# Altium PCB PCB3.PcbDoc (part 4 of 8) (continued)
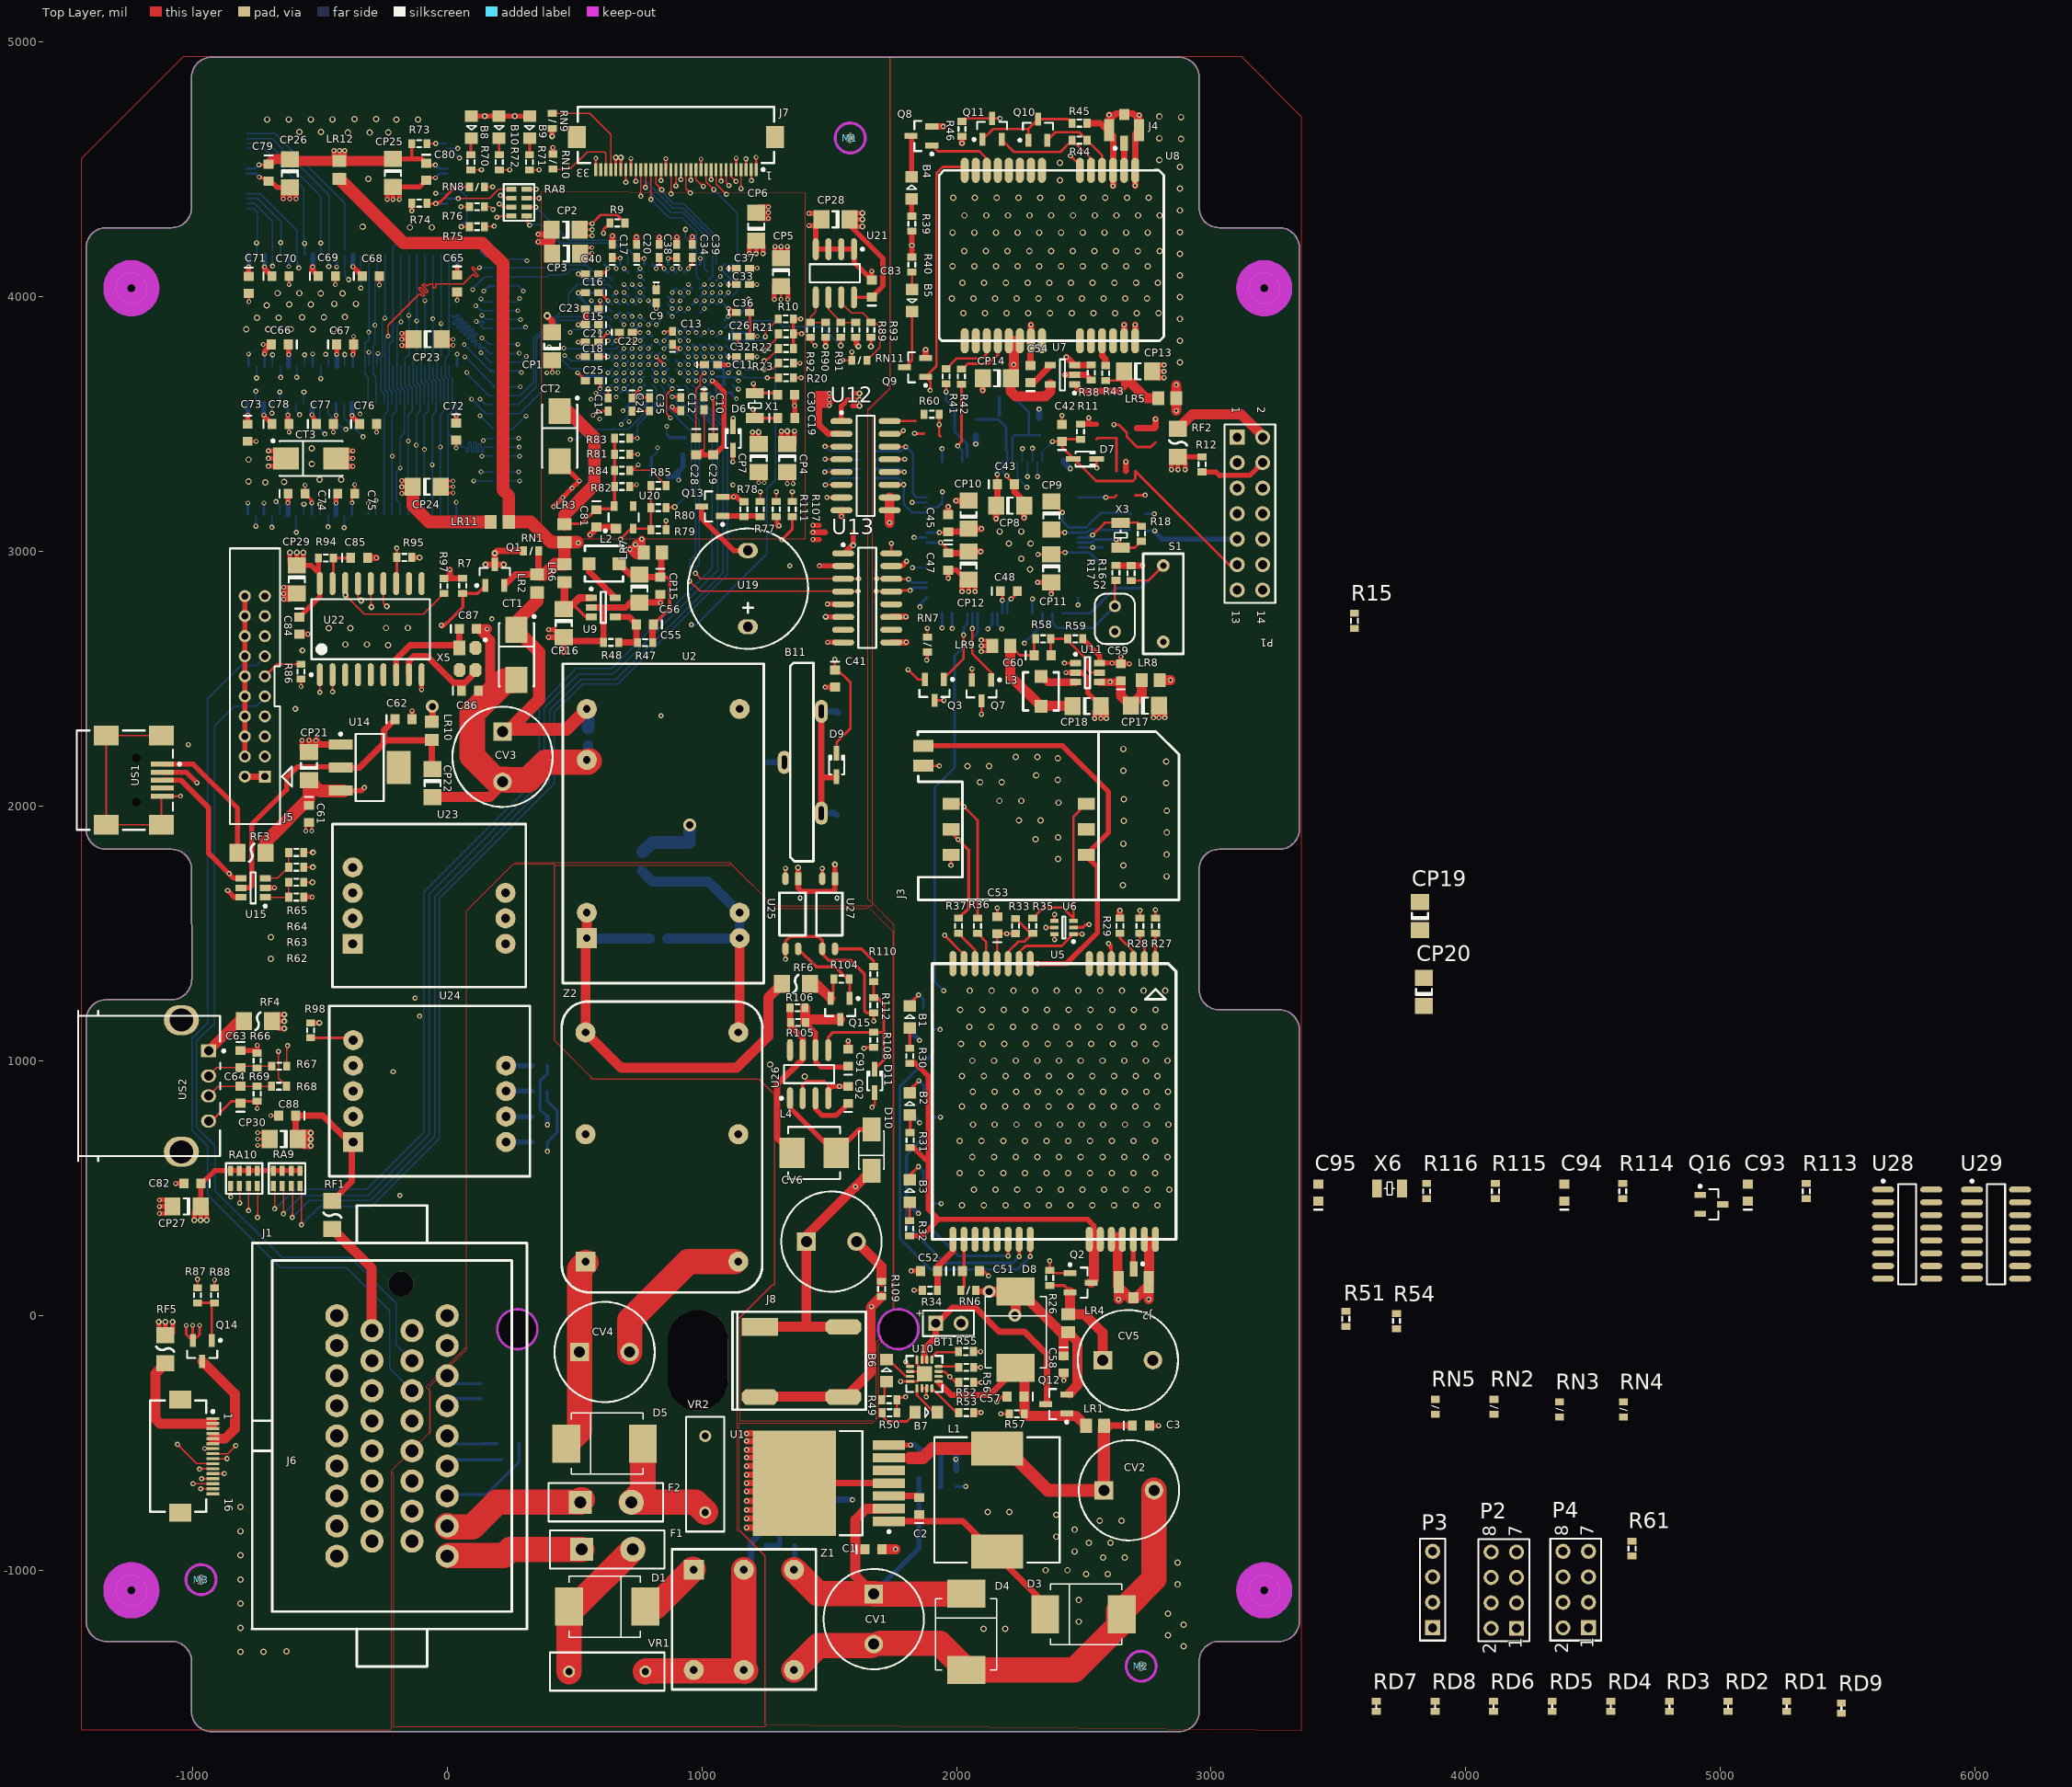
[diagram p0: Top Layer view]
## Nets (pads, with @x,y where several pads share a name; then routed paths per layer and width w, separated by ;. In a path a pad name is that pad's centre, name@x,y a point inside that pad or via, vN(x,y) a via of type N, cw(c..) or ccw(c..) an arc to the next point about the centre after c; other vN are vias at no path point) (continued)
  ADDR w10: v2@1947.83,1272.64 1970.47,1250 1970.47,347.44 2047.24,270.67 2310.04,270.67 v2(2366.14,214.57) ; v2@1954.8,1275.59 ccw(c1978.76,1275.59) 1961.82,1258.65 ; v2@2361.14,214.57 ccw(c2349.07,214.57) 2357.61,223.1 ccw(c2366.14,231.64) v2@2366.14,219.57
  Bottom Layer w10: v2@1944.8,1275.59 ccw(c1932.73,1275.59) 1941.27,1284.13 ccw(c1949.8,1292.66) v2@1949.8,1280.59 ; v2(1949.8,1275.59) 1915.35,1310.04 1915.35,2074.8 1993.11,2152.56 1993.11,2591.54 2082.68,2681.1 2082.68,2756.89 U4.43@2081.69,2757.87
GPRS_PWRKEY: Q7.1 U4.44 | length 350.2
  Top Layer w10: v2@2058.47,2694.3 cw(c2049.94,2685.76) 2062.01,2685.76 cw(c2074.08,2685.76) v2@2065.54,2694.3 ; v2(2062.01,2697.83) 2062.01,2599.41 2138.78,2522.64 Q7.1@2138.78,2493.11 ; Q7.1@2135.83,2496.06 Q7.1@2135.83,2511.81
  Bottom Layer w10: v2@2058.47,2701.37 ccw(c2049.94,2709.91) 2062.01,2709.91 ccw(c2074.08,2709.91) v2@2065.54,2701.37 ; v2(2062.01,2697.83) U4.44@2062.01,2757.87
GPS_PWR: R38.1 U4.76 U7.3 | length 888.7
  Top Layer w25: v2(2431.1,3763.78) U7.3@2463.58,3731.3 R38.1@2528.54,3731.3
  ADDR w25: v2(1943.9,3403.54) v2@1946.36,3406 ; v2@1943.9,3408.46 1945.87,3408.46 2006.89,3469.49 2006.89,3588.58 2098.43,3680.12 2228.35,3680.12 2312.01,3763.78 v2(2431.1,3763.78)
  Bottom Layer w10: v2@1940.36,3400.01 cw(c1931.83,3391.47) 1943.9,3391.47 cw(c1955.97,3391.47) v2@1947.43,3400.01 ; U4.76@1943.9,3352.36 v2(1943.9,3403.54)
I2CSCL: R91.2 U3.U8 | length 569.4
  Top Layer w5: v4@1538.94,3814.9 ccw(c1523.04,3830.8) 1545.52,3830.8 ccw(c1568,3830.8) v4@1552.11,3814.9 ; v4(1545.52,3808.32) R91.2@1545.52,3840.76
  Bottom Layer w5: U3.U8@1120.05,3906.93 1293.86,3906.93 1317.91,3882.87 1470.96,3882.87 v4(1545.52,3808.32) ; v4@1536.21,3808.32 ccw(c1513.73,3808.32) 1529.63,3824.21 ccw(c1545.52,3840.11) v4@1545.52,3817.63
I2CSDA: R92.2 U3.M9 | length 693.5
  Top Layer w5: R92.2@1426.92,3840.76 1426.92,3826.03 v2(1444.88,3808.07) ; v2@1437.38,3808.07 ccw(c1419.28,3808.07) 1432.08,3820.87 ccw(c1444.88,3833.68) v2@1444.88,3815.57
  ADDR w5: v1(978.32,3859.69) 1009.38,3890.75 1397.64,3890.75 1444.88,3843.5 v2(1444.88,3808.07) ; v1@978.32,3866.19 ccw(c978.32,3881.88) 989.42,3870.78 ccw(c1000.51,3859.69) v1@984.82,3859.69 ; v2@1439.58,3813.37 ccw(c1426.78,3826.18) 1444.88,3826.18 ccw(c1462.99,3826.18) v2@1450.19,3813.37
  Bottom Layer w10: U3.M9@962.57,3875.43 v1(978.32,3859.69) ; v1@974.32,3859.69 ccw(c964.67,3859.69) 971.49,3866.51 ccw(c978.32,3873.34) v1@978.32,3863.69
LADDR2: RA3.7 U16.23 U17.23 | length 1301.8
  ADDR w5: v1@-87.62,3979.17 cw(c-87.62,3963.48) -76.53,3974.57 cw(c-65.43,3985.67) v1@-81.12,3985.67 ; v1(-87.62,3985.67) -66.96,3965.01 -55.69,3965.01 cw(c-55.69,3960.01) -50.69,3960.01 -50.69,3959.31 ccw(c-45.69,3959.31) -45.69,3954.31 ccw(c-45.69,3959.31) -40.69,3959.31 -40.69,3980.01 cw(c-35.69,3980.01) -35.69,3985.01 cw(c-35.69,3980.01) -30.69,3980.01 -30.69,3959.31 ccw(c-25.69,3959.31) -25.69,3954.31 ccw(c-25.69,3959.31) -20.69,3959.31 -20.69,3980.01 cw(c-15.69,3980.01) -15.69,3985.01 cw(c-15.69,3980.01) -10.69,3980.01 -10.69,3959.31 ccw(c-5.69,3959.31) -5.69,3954.31 ccw(c-5.69,3959.31) -0.69,3959.31 -0.69,3980.01 cw(c4.31,3980.01) 4.31,3985.01 cw(c4.31,3980.01) 9.31,3980.01 9.31,3959.31 ccw(c14.31,3959.31) 14.31,3954.31 ccw(c14.31,3959.31) 19.31,3959.31 19.31,3972.77 cw(c24.31,3972.77) 24.31,3977.77 cw(c24.31,3972.77) 29.31,3972.77 29.31,3959.31 ccw(c34.31,3959.31) 34.31,3954.31 ccw(c34.31,3959.31) 39.31,3959.31 39.31,3960.01 cw(c44.31,3960.01) 44.31,3965.01 cw(c44.31,3960.01) 49.31,3960.01 49.31,3959.31 ccw(c54.31,3959.31) 54.31,3954.31 ccw(c54.31,3959.31) 59.31,3959.31 59.31,3978.56 cw(c64.31,3978.56) 64.31,3983.56 cw(c64.31,3978.56) 69.31,3978.56 69.31,3959.31 ccw(c74.31,3959.31) 74.31,3954.31 ccw(c74.31,3959.31) 79.31,3959.31 79.31,3978.56 cw(c84.31,3978.56) 84.31,3983.56 cw(c84.31,3978.56) 89.31,3978.56 89.31,3959.31 ccw(c94.31,3959.31) 94.31,3954.31 ccw(c94.31,3959.31) 99.31,3959.31 99.31,3960.01 cw(c104.31,3960.01) 104.31,3965.01 v1(112.14,3965.01)
  Bottom Layer w5: v1@-92.22,3981.07 cw(c-104.95,3968.34) -86.95,3968.34 ; v1@-92.22,3990.27 ccw(c-104.95,4003) -86.95,4003 ; U17.23@-89.95,3581.94 -89.95,3655.97 -102.14,3668.16 -102.14,3758.04 -86.95,3773.24 -86.95,3942.06 ; -86.95,3942.36 U16.23@-86.95,4164.94 ; -86.95,3971.61 cw(c-73.56,3971.61) v1@-83.03,3981.07 ; -86.95,3999.73 ccw(c-73.56,3999.73) v1@-83.03,3990.27 ; v1@112.14,3958.51 cw(c112.14,3935.61) 128.33,3951.8 ; v1(112.14,3965.01) 115.13,3965.01 134.12,3946.02 RA3.7@182.95,3946.02 ; v1@118.64,3965.01 ccw(c127.13,3965.01) 121.13,3959
LADDR3: RA4.8 U16.24 U17.24 | length 1284.2
  ADDR w5: v1(-56.13,3913.82) -55.14,3914.8 -19,3914.8 cw(c-19,3909.8) -14,3909.8 -14,3909.46 ccw(c-9,3909.46) -9,3904.46 ccw(c-9,3909.46) -4,3909.46 -4,3909.8 cw(c1,3909.8) 1,3914.8 cw(c1,3909.8) 6,3909.8 6,3909.12 ccw(c11,3909.12) 11,3904.12 ccw(c11,3909.12) 16,3909.12 16,3909.8 cw(c21,3909.8) 21,3914.8 cw(c21,3909.8) 26,3909.8 26,3902.59 ccw(c31,3902.59) 31,3897.59 ccw(c31,3902.59) 36,3902.59 36,3909.8 cw(c41,3909.8) 41,3914.8 61,3914.8 69.39,3906.41 cw(c65.85,3902.88) 69.39,3899.34 62.32,3892.27 ccw(c65.85,3888.73) 62.32,3885.2 ccw(c65.85,3888.73) 69.39,3885.2 80,3895.81 90.17,3905.98 cw(c93.71,3902.44) 97.24,3905.98 cw(c93.71,3902.44) 97.24,3898.91 76.46,3878.13 ccw(c80,3874.59) 76.46,3871.06 ccw(c80,3874.59) 83.53,3871.06 101.59,3889.11 cw(c105.12,3885.57) 108.66,3889.11 cw(c105.12,3885.57) 108.66,3882.04 101.21,3874.59 90.6,3863.99 ccw(c94.14,3860.45) 90.6,3856.91 ccw(c94.14,3860.45) 97.67,3856.91 118.89,3878.13 cw(c122.42,3874.59) 125.96,3878.13 cw(c122.42,3874.59) 125.96,3871.06 104.75,3849.84 ccw(c108.28,3846.31) 104.75,3842.77 ccw(c108.28,3846.31) 111.82,3842.77 118.89,3849.84 cw(c122.42,3846.31) 125.96,3849.84 ; v1@-51.53,3909.22 cw(c-38.06,3895.75) -38.06,3914.8 ; v1@-51.53,3918.42 ccw(c-42.81,3927.14) -42.81,3914.8 ; v1@130.29,3839.13 ccw(c115.51,3839.39) 125.96,3849.84 ; v1@136.67,3845.52 cw(c136.41,3860.3) 125.96,3849.84 ; v1(136.79,3839.02) 125.96,3849.84
  Bottom Layer w5: v1@-60.72,3909.22 cw(c-73.45,3896.49) -55.45,3896.49 ; v1@-60.72,3918.42 ccw(c-73.45,3931.15) -55.45,3931.15 ; U17.24@-58.45,3581.94 -58.45,3663.47 -70.64,3675.67 -70.64,3758.04 -55.45,3773.24 U16.24@-55.45,4164.94 ; -55.45,3899.76 cw(c-42.07,3899.76) v1@-51.53,3909.22 ; -55.45,3927.88 ccw(c-42.07,3927.88) v1@-51.53,3918.42 ; v1@136.79,3832.52 cw(c136.79,3816.82) 147.88,3827.92 cw(c158.98,3839.02) v1@143.29,3839.02 ; v1(136.79,3839.02) 161.85,3813.96 RA4.8@182.95,3813.96
LADDR4: RA4.6 U16.25 U17.25 | length 1050.6
  ADDR w5: v1(-23.65,3895.12) 18.68,3895.12 91.77,3822.03 cw(c88.23,3818.49) 91.77,3814.95 86.4,3809.58 ccw(c89.93,3806.05) 86.4,3802.51 ccw(c89.93,3806.05) 93.47,3802.51 111.28,3820.33 cw(c114.82,3816.79) 118.36,3820.33 cw(c114.82,3816.79) 118.36,3813.26 100.54,3795.44 ccw(c104.07,3791.9) 100.54,3788.37 ccw(c104.07,3791.9) 107.61,3788.37 112.98,3793.74 cw(c116.52,3790.21) 120.05,3793.74 v1(132.85,3780.95) ; v1@126.35,3780.95 ccw(c110.66,3780.95) 121.75,3792.04 ccw(c132.85,3803.14) v1@132.85,3787.45
  Bottom Layer w5: v1@-28.24,3890.52 cw(c-38.6,3880.17) -23.96,3880.17 ; v1@-28.24,3899.72 ccw(c-38.6,3910.07) -23.96,3910.07 ; U17.25@-26.96,3581.94 -26.96,3669.98 -39.15,3682.17 -39.15,3758.04 -23.96,3773.24 U16.25@-23.96,4164.94 ; -23.96,3878.68 cw(c-7.21,3878.68) v1@-19.05,3890.52 ; -23.96,3911.55 ccw(c-7.21,3911.55) v1@-19.05,3899.72 ; v1@132.85,3774.45 cw(c132.85,3758.75) 143.94,3769.85 cw(c155.04,3780.95) v1@139.35,3780.95 ; v1(132.85,3780.95) 169.84,3743.96 RA4.6@182.95,3743.96
LADDR5: RA4.7 U16.26 U17.26 | length 1312
  Bottom Layer w5: U17.26@4.54,3581.94 4.54,3674.48 -7.65,3686.68 -7.65,3758.04 7.54,3773.24 7.54,3800.73 6.09,3802.19 6.09,3816.68 7.54,3818.13 7.54,3824.73 6.09,3826.19 6.09,3840.68 7.54,3842.13 7.54,3847.73 6.09,3849.19 6.09,3863.68 7.54,3865.13 7.54,3925.63 ; U16.26@7.54,4164.94 7.54,3925.63 ; RA4.7@182.95,3778.96 166.33,3778.96 144.17,3801.12 ccw(c140.63,3797.59) 137.1,3801.12 133.71,3797.73 cw(c130.17,3801.27) 126.64,3797.73 cw(c130.17,3801.27) 126.64,3804.8 130.03,3808.19 ccw(c126.49,3811.73) 130.03,3815.27 ccw(c126.49,3811.73) 122.95,3815.27 115.88,3808.19 cw(c112.35,3811.73) 108.81,3808.19 cw(c112.35,3811.73) 108.81,3815.27 115.88,3822.34 ccw(c112.35,3825.87) 115.88,3829.41 ccw(c112.35,3825.87) 108.81,3829.41 101.74,3822.34 cw(c98.21,3825.87) 94.67,3822.34 cw(c98.21,3825.87) 94.67,3829.41 115.88,3850.62 ccw(c112.35,3854.16) 115.88,3857.69 ccw(c112.35,3854.16) 108.81,3857.69 87.6,3836.48 cw(c84.06,3840.01) 80.53,3836.48 cw(c84.06,3840.01) 80.53,3843.55 101.74,3864.76 ccw(c98.21,3868.3) 101.74,3871.83 ccw(c98.21,3868.3) 94.67,3871.83 73.46,3850.62 cw(c69.92,3854.16) 66.39,3850.62 cw(c69.92,3854.16) 66.39,3857.69 87.6,3878.9 ccw(c84.06,3882.44) 87.6,3885.98 ccw(c84.06,3882.44) 80.53,3885.98 59.31,3864.76 cw(c55.78,3868.3) 52.24,3864.76 cw(c55.78,3868.3) 52.24,3871.83 73.46,3893.05 ccw(c69.92,3896.58) 73.46,3900.12 ccw(c69.92,3896.58) 66.39,3900.12 45.17,3878.9 cw(c41.64,3882.44) 38.1,3878.9 cw(c41.64,3882.44) 38.1,3885.98 59.31,3907.19 ccw(c55.78,3910.72) 59.31,3914.26 ccw(c55.78,3910.72) 52.24,3914.26 31.03,3893.05 cw(c27.5,3896.58) 23.96,3893.05 cw(c27.5,3896.58) 23.96,3900.12 34.57,3910.72 45.17,3921.33 ccw(c41.64,3924.87) 45.17,3928.4 ccw(c41.64,3924.87) 38.1,3928.4 28.93,3919.23 cw(c27.5,3920.67) 26.06,3919.23 19.66,3925.63 7.54,3925.63
LADDR6: RA6.6 U16.29 U17.29 | length 1067.5
  Bottom Layer w5: U17.29@4.54,3144.93 4.54,3463.03 ; U16.29@7.59,3730.43 7.59,3690.43 19.73,3678.29 19.73,3551.83 4.54,3536.63 4.54,3463.03 ; RA6.6@182.95,3409.84 148.6,3409.84 ccw(c148.6,3404.84) 143.6,3404.84 143.6,3395.92 cw(c138.6,3395.92) 138.6,3390.92 cw(c138.6,3395.92) 133.6,3395.92 133.6,3418.99 ccw(c128.6,3418.99) 128.6,3423.99 ccw(c128.6,3418.99) 123.6,3418.99 123.6,3395.56 cw(c118.6,3395.56) 118.6,3390.56 cw(c118.6,3395.56) 113.6,3395.56 113.6,3424.11 ccw(c108.6,3424.11) 108.6,3429.11 ccw(c108.6,3424.11) 103.6,3424.11 103.6,3395.56 cw(c98.6,3395.56) 98.6,3390.56 cw(c98.6,3395.56) 93.6,3395.56 93.6,3424.11 ccw(c88.6,3424.11) 88.6,3429.11 ccw(c88.6,3424.11) 83.6,3424.11 83.6,3395.56 cw(c78.6,3395.56) 78.6,3390.56 cw(c78.6,3395.56) 73.6,3395.56 73.6,3404.84 ccw(c68.6,3404.84) 68.6,3409.84 57.74,3409.84 50.67,3416.91 cw(c54.2,3420.44) 50.67,3423.98 57.22,3430.53 ccw(c53.69,3434.07) 57.22,3437.61 ccw(c53.69,3434.07) 50.15,3437.61 40.06,3427.51 36.52,3423.98 cw(c32.99,3427.51) 29.45,3423.98 cw(c32.99,3427.51) 29.45,3431.05 ccw(c25.92,3434.59) 29.45,3438.12 4.54,3463.03
LADDR7: RA6.8 U16.30 U17.30 | length 1251.6
  DATA w5: v1(-26.96,3410.51) 13.73,3451.2 cw(c17.26,3447.66) 20.8,3451.2 27.57,3444.43 ccw(c31.1,3447.96) 34.64,3444.43 ccw(c31.1,3447.96) 34.64,3451.5 24.34,3461.8 18.3,3467.84 cw(c21.83,3471.38) 18.3,3474.91 cw(c21.83,3471.38) 25.37,3474.91 31.41,3468.87 41.71,3458.57 ccw(c45.24,3462.11) 48.78,3458.57 ccw(c45.24,3462.11) 48.78,3465.64 32.44,3481.98 cw(c35.98,3485.52) 32.44,3489.05 cw(c35.98,3485.52) 39.51,3489.05 45.55,3483.02 55.85,3472.71 ccw(c59.39,3476.25) 62.92,3472.71 ccw(c59.39,3476.25) 62.92,3479.78 52.62,3490.09 46.58,3496.12 cw(c50.12,3499.66) 46.58,3503.19 cw(c50.12,3499.66) 53.65,3503.19 69.99,3486.86 ccw(c73.53,3490.39) 77.06,3486.86 ccw(c73.53,3490.39) 77.06,3493.93 70.3,3500.69 cw(c73.83,3504.23) 70.3,3507.76 cw(c73.83,3504.23) 77.37,3507.76 84.13,3501 ccw(c87.67,3504.53) 91.21,3501 ccw(c87.67,3504.53) 91.21,3508.07 84.44,3514.84 cw(c87.97,3518.37) 84.44,3521.91 91.51,3528.98 124.06,3528.98 v1(128.94,3533.85) ; v1@-26.96,3417.01 ccw(c-26.96,3432.7) -15.86,3421.61 ccw(c-4.76,3410.51) v1@-20.46,3410.51 ; 101.48,3528.98 ccw(c101.48,3561.31) v1@124.34,3538.45 ; 113.55,3528.98 ccw(c113.55,3549.24) v1@127.88,3534.91
  Bottom Layer w5: v1@-31.55,3405.92 cw(c-42.65,3394.82) -26.96,3394.82 cw(c-11.26,3394.82) v1@-22.36,3405.92 ; v1@-31.55,3415.11 ccw(c-42.65,3426.2) -26.96,3426.2 ccw(c-11.26,3426.2) v1@-22.36,3415.11 ; U17.30@-26.96,3144.93 v1(-26.96,3410.51) -26.96,3536.63 -11.76,3551.83 -11.76,3673.79 -23.96,3685.98 U16.30@-23.96,3727.93 ; v1@128.94,3527.35 cw(c128.94,3511.66) 140.03,3522.75 cw(c151.13,3533.85) v1@135.44,3533.85 ; v1(128.94,3533.85) RA6.8@182.95,3479.84
LADDR8: RA7.8 U16.31 U17.31 | length 1073
  ADDR w5: v1(-59.08,3340.99) 41.35,3340.99 cw(c41.35,3335.99) 46.35,3335.99 46.35,3331.44 ccw(c51.35,3331.44) 51.35,3326.44 ccw(c51.35,3331.44) 56.35,3331.44 56.35,3353.94 cw(c61.35,3353.94) 61.35,3358.94 cw(c61.35,3353.94) 66.35,3353.94 66.35,3330.71 ccw(c71.35,3330.71) 71.35,3325.71 ccw(c71.35,3330.71) 76.35,3330.71 76.35,3349.77 cw(c81.35,3349.77) 81.35,3354.77 cw(c81.35,3349.77) 86.35,3349.77 86.35,3345.99 ccw(c91.35,3345.99) 91.35,3340.99 105.29,3340.99 v1(133.5,3312.78) ; v1@-54.48,3336.39 cw(c-43.39,3325.29) -43.39,3340.99 cw(c-43.39,3356.68) v1@-54.48,3345.58 ; v1@127,3312.78 ccw(c111.31,3312.78) 122.4,3323.87 ccw(c133.5,3334.97) v1@133.5,3319.28
  Bottom Layer w5: v1@-63.68,3336.39 cw(c-76.29,3323.77) -58.45,3323.77 ; v1@-63.68,3345.58 ccw(c-76.29,3358.2) -58.45,3358.2 ; U17.31@-58.45,3144.93 -58.45,3536.63 -43.26,3551.83 -43.26,3667.28 -55.45,3679.47 U16.31@-55.45,3727.93 ; -58.45,3326.81 cw(c-44.91,3326.81) v1@-54.48,3336.39 ; -58.45,3355.16 ccw(c-44.91,3355.16) v1@-54.48,3345.58 ; v1(133.5,3312.78) RA7.8@182.95,3312.78 ; v1@138.09,3308.18 cw(c149.19,3297.08) 149.19,3312.78 cw(c149.19,3328.47) v1@138.09,3317.37
LADDR9: RA5.6 U16.32 U17.32 | length 1321.3
  DATA w5: v1(-89.59,3401.02) -68.92,3401.02 50.82,3520.77 cw(c54.35,3517.23) 57.89,3520.77 60.53,3518.12 ccw(c64.07,3521.66) 67.6,3518.12 ccw(c64.07,3521.66) 67.6,3525.19 61.43,3531.37 50.98,3541.82 cw(c54.52,3545.35) 50.98,3548.89 cw(c54.52,3545.35) 58.05,3548.89 74.68,3532.27 ccw(c78.21,3535.8) 81.75,3532.27 ccw(c78.21,3535.8) 81.75,3539.34 75.57,3545.52 65.12,3555.96 cw(c68.66,3559.49) 65.12,3563.03 cw(c68.66,3559.49) 72.2,3563.03 93.08,3542.14 ccw(c96.62,3545.68) 100.15,3542.14 ccw(c96.62,3545.68) 100.15,3549.21 79.27,3570.1 cw(c82.8,3573.64) 79.27,3577.17 cw(c82.8,3573.64) 86.34,3577.17 107.22,3556.29 ccw(c110.76,3559.82) 114.3,3556.29 ccw(c110.76,3559.82) 114.3,3563.36 107.39,3570.26 cw(c110.92,3573.8) 107.39,3577.34 cw(c110.92,3573.8) 114.46,3577.34 121.37,3570.43 ccw(c124.9,3573.96) 128.44,3570.43 ccw(c124.9,3573.96) 128.44,3577.5 121.53,3584.41 cw(c125.07,3587.94) 121.53,3591.48 v1(128.91,3598.86) ; v1@-85,3396.43 cw(c-73.9,3385.33) -73.9,3401.02 cw(c-73.9,3416.72) v1@-85,3405.62 ; 119.46,3587.89 cw(c127.34,3583.33) v1@128.26,3592.39 ; 121.99,3592.27 ccw(c116.39,3595.5) v1@122.63,3597.18
  Bottom Layer w5: v1@-94.19,3396.43 cw(c-104.43,3386.19) -89.95,3386.19 ; v1@-94.19,3405.62 ccw(c-104.43,3415.86) -89.95,3415.86 ; U17.32@-89.95,3144.93 -89.95,3536.63 -74.75,3551.83 -74.75,3659.78 -86.95,3671.97 U16.32@-86.95,3727.93 ; -89.95,3384.48 cw(c-73.04,3384.48) v1@-85,3396.43 ; -89.95,3417.57 ccw(c-73.04,3417.57) v1@-85,3405.62 ; v1@128.91,3592.36 cw(c128.91,3576.67) 140.01,3587.76 cw(c151.1,3598.86) v1@135.41,3598.86 ; v1(128.91,3598.86) 150.87,3576.9 RA5.6@182.95,3576.9
LADDR10: RA5.5 U16.33 U17.33 | length 1341.7
  DATA w5: v1(-121.09,3417.76) -3.63,3535.22 ccw(c-7.16,3538.76) -3.63,3542.29 -10.39,3549.05 cw(c-6.85,3552.59) -10.39,3556.12 cw(c-6.85,3552.59) -3.32,3556.12 13.24,3539.57 ccw(c16.78,3543.1) 20.31,3539.57 ccw(c16.78,3543.1) 20.31,3546.64 14.05,3552.9 3.75,3563.2 cw(c7.29,3566.73) 3.75,3570.27 cw(c7.29,3566.73) 10.83,3570.27 21.12,3559.97 29.07,3552.02 ccw(c32.61,3555.55) 36.14,3552.02 ccw(c32.61,3555.55) 36.14,3559.09 17.9,3577.34 cw(c21.43,3580.87) 17.9,3584.41 cw(c21.43,3580.87) 24.97,3584.41 45.56,3563.81 ccw(c49.1,3567.35) 52.63,3563.81 ccw(c49.1,3567.35) 52.63,3570.88 32.04,3591.48 cw(c35.57,3595.02) 32.04,3598.55 cw(c35.57,3595.02) 39.11,3598.55 45.87,3591.79 ccw(c49.41,3595.32) 52.94,3591.79 60.01,3598.86 v1(95.45,3598.86) ; v1@-121.09,3424.26 ccw(c-121.09,3439.95) -109.99,3428.85 ccw(c-98.9,3417.76) v1@-114.59,3417.76 ; v1@90.85,3594.26 ccw(c79.75,3583.17) 79.75,3598.86 ccw(c79.75,3614.55) v1@90.85,3603.46
  Bottom Layer w5: v1@-125.68,3413.16 cw(c-135.92,3402.92) -121.44,3402.92 ; v1@-125.68,3422.35 ccw(c-135.92,3432.59) -121.44,3432.59 ; U17.33@-121.44,3144.93 -121.44,3536.63 -106.25,3551.83 -106.25,3651.27 -118.44,3663.47 U16.33@-118.44,3727.93 ; -121.44,3401.21 cw(c-104.54,3401.21) v1@-116.49,3413.16 ; -121.44,3434.31 ccw(c-104.54,3434.31) v1@-116.49,3422.35 ; v1@95.45,3592.36 cw(c95.45,3576.67) 106.54,3587.76 cw(c117.64,3598.86) v1@101.95,3598.86 ; v1(95.45,3598.86) 152.41,3541.9 RA5.5@182.95,3541.9
LADDR11: RA6.7 U16.34 U17.34 | length 1229.6
  ADDR w5: v1(-152.58,3434.49) -151.6,3435.47 46.12,3435.47 ccw(c46.12,3440.47) 51.12,3440.47 51.12,3446.12 cw(c56.12,3446.12) 56.12,3451.12 cw(c56.12,3446.12) 61.12,3446.12 61.12,3421.42 ccw(c66.12,3421.42) 66.12,3416.42 ccw(c66.12,3421.42) 71.12,3421.42 71.12,3446.12 cw(c76.12,3446.12) 76.12,3451.12 cw(c76.12,3446.12) 81.12,3446.12 81.12,3421.42 ccw(c86.12,3421.42) 86.12,3416.42 ccw(c86.12,3421.42) 91.12,3421.42 91.12,3446.12 cw(c96.12,3446.12) 96.12,3451.12 cw(c96.12,3446.12) 101.12,3446.12 101.12,3421.42 ccw(c106.12,3421.42) 106.12,3416.42 ccw(c106.12,3421.42) 111.12,3421.42 111.12,3430.47 cw(c116.12,3430.47) 116.12,3435.47 v1(141.71,3435.47) ; v1@-147.99,3429.89 cw(c-134.52,3416.42) -134.52,3435.47 ; v1@-147.99,3439.09 ccw(c-139.27,3447.81) -139.27,3435.47 ; v1@137.11,3430.88 ccw(c126.01,3419.78) 126.01,3435.47 ccw(c126.01,3451.17) v1@137.11,3440.07
  Bottom Layer w5: v1@-157.18,3429.89 cw(c-167.42,3419.65) -152.94,3419.65 ; v1@-157.18,3439.09 ccw(c-167.42,3449.33) -152.94,3449.33 ; U17.34@-152.94,3144.93 -152.94,3536.63 -137.75,3551.83 -137.75,3640.77 -149.94,3652.96 U16.34@-149.94,3727.93 ; -152.94,3417.94 cw(c-136.04,3417.94) v1@-147.99,3429.89 ; -152.94,3451.04 ccw(c-136.04,3451.04) v1@-147.99,3439.09 ; v1(141.71,3435.47) 151.07,3444.84 ; v1@142.53,3441.92 ccw(c143.83,3452.07) 151.07,3444.84 ; v1@148.15,3436.3 cw(c158.31,3437.6) 151.07,3444.84 ; RA6.7@182.95,3444.84 151.07,3444.84
LADDR12: RA4.5 U16.22 U17.22 | length 1453.5
  ADDR w5: v1(-119.12,3905.95) -113.14,3899.96 cw(c-116.67,3896.43) -113.14,3892.89 -120.21,3885.82 ccw(c-116.67,3882.29) -120.21,3878.75 ccw(c-116.67,3882.29) -113.14,3878.75 -91.92,3899.96 cw(c-88.39,3896.43) -84.85,3899.96 cw(c-88.39,3896.43) -84.85,3892.89 -106.07,3871.68 ccw(c-102.53,3868.14) -106.07,3864.61 ccw(c-102.53,3868.14) -98.99,3864.61 -91.92,3871.68 cw(c-88.39,3868.14) -84.85,3871.68 -77.78,3864.61 -65.26,3864.61 ccw(c-65.26,3869.61) -60.26,3869.61 -60.26,3879.61 cw(c-55.26,3879.61) -55.26,3884.61 cw(c-55.26,3879.61) -50.26,3879.61 -50.26,3849.61 ccw(c-45.26,3849.61) -45.26,3844.61 ccw(c-45.26,3849.61) -40.26,3849.61 -40.26,3878.23 cw(c-35.26,3878.23) -35.26,3883.23 cw(c-35.26,3878.23) -30.26,3878.23 -30.26,3849.61 ccw(c-25.26,3849.61) -25.26,3844.61 ccw(c-25.26,3849.61) -20.26,3849.61 -20.26,3876.41 cw(c-15.26,3876.41) -15.26,3881.41 cw(c-15.26,3876.41) -10.26,3876.41 -10.26,3849.61 ccw(c-5.26,3849.61) -5.26,3844.61 ccw(c-5.26,3849.61) -0.26,3849.61 -0.26,3859.61 cw(c4.74,3859.61) 4.74,3864.61 14.74,3864.61 20.72,3858.62 ccw(c24.26,3862.16) 27.79,3858.62 31.58,3862.41 cw(c35.12,3858.88) 38.65,3862.41 cw(c35.12,3858.88) 38.65,3855.34 34.86,3851.55 ccw(c38.4,3848.02) 34.86,3844.48 ccw(c38.4,3848.02) 41.93,3844.48 45.73,3848.27 cw(c49.26,3844.74) 52.8,3848.27 cw(c49.26,3844.74) 52.8,3841.2 36.93,3825.33 ccw(c40.46,3821.8) 36.93,3818.26 ccw(c40.46,3821.8) 44,3818.26 49.01,3823.27 cw(c52.54,3819.73) 56.08,3823.27 ; v1@60.4,3812.56 ccw(c45.63,3812.82) 56.08,3823.27 ; v1@66.79,3818.94 cw(c66.53,3833.72) 56.08,3823.27 ; v1(66.9,3812.44) 56.08,3823.27
  Bottom Layer w5: v1@-123.72,3901.35 cw(c-136.45,3888.62) -118.44,3888.62 ; v1@-123.72,3910.54 ccw(c-136.45,3923.27) -118.44,3923.27 ; U17.22@-121.44,3581.94 -121.44,3645.47 -133.64,3657.66 -133.64,3758.04 -118.44,3773.24 U16.22@-118.44,4164.94 ; -118.44,3891.89 cw(c-105.06,3891.89) v1@-114.52,3901.35 ; -118.44,3920 ccw(c-105.06,3920) v1@-114.52,3910.54 ; v1@66.9,3805.94 cw(c66.9,3790.25) 78,3801.35 cw(c89.1,3812.44) v1@73.4,3812.44 ; v1(66.9,3812.44) RA4.5@170.39,3708.96
  Bottom Layer w10: RA4.5@170.39,3708.96 RA4.5@182.95,3708.96
LADDR13: RA7.7 U16.35 U17.35 | length 1118.6
  ADDR w5: v1@-184.08,3321.69 cw(c-184.08,3306) -172.98,3317.09 cw(c-161.89,3328.19) v1@-177.58,3328.19 ; v1(-184.08,3328.19) -171.29,3315.39 66.9,3315.39 v1(104.52,3277.78) ; v1@98.02,3277.78 ccw(c82.33,3277.78) 93.43,3288.87 ccw(c104.52,3299.97) v1@104.52,3284.28
  Bottom Layer w5: v1@-190.58,3328.19 cw(c-206.27,3328.19) -195.18,3317.09 cw(c-184.08,3306) v1@-184.08,3321.69 ; v1@-188.68,3332.79 ccw(c-199.77,3343.88) -184.08,3343.88 ccw(c-168.39,3343.88) v1@-179.48,3332.79 ; U17.35@-184.44,3144.93 -184.44,3187.46 -199.41,3202.43 -199.41,3312.86 v1(-184.08,3328.19) -184.08,3450.24 -168.41,3465.91 -168.41,3632.43 -181.44,3645.46 U16.35@-181.44,3727.93 ; v1(104.52,3277.78) RA7.7@182.95,3277.78 ; v1@109.12,3273.18 cw(c120.21,3262.08) 120.21,3277.78 cw(c120.21,3293.47) v1@109.12,3282.37
LADDR14: RA6.5 U16.36 U17.36 | length 1157.4
  ADDR w5: v1(-215.79,3374.45) -216.17,3374.84 73.32,3374.84 ccw(c73.32,3379.84) 78.32,3379.84 78.32,3383.1 cw(c83.32,3383.1) 83.32,3388.1 cw(c83.32,3383.1) 88.32,3383.1 88.32,3366.57 ccw(c93.32,3366.57) 93.32,3361.57 ccw(c93.32,3366.57) 98.32,3366.57 98.32,3369.84 cw(c103.32,3369.84) 103.32,3374.84 v1(136.19,3374.84) ; v1@-211.19,3369.85 cw(c-199.16,3357.82) -199.16,3374.84 ; v1@-211.19,3379.05 ccw(c-201.03,3389.21) -201.03,3374.84 ; v1@131.59,3370.24 ccw(c120.5,3359.14) 120.5,3374.84 ccw(c120.5,3390.53) v1@131.59,3379.43
  Bottom Layer w5: v1@-220.38,3369.85 cw(c-231.13,3359.1) -215.93,3359.1 ; v1@-220.38,3379.05 ccw(c-231.13,3389.8) -215.93,3389.8 ; U17.36@-215.93,3144.93 -215.93,3536.63 -200.74,3551.83 -200.74,3626.76 -212.93,3638.95 U16.36@-212.93,3727.93 ; -215.93,3358.41 cw(c-199.75,3358.41) v1@-211.19,3369.85 ; -215.93,3390.49 ccw(c-199.75,3390.49) v1@-211.19,3379.05 ; v1(136.19,3374.84) RA6.5@182.95,3374.84 ; v1@140.78,3370.24 cw(c151.88,3359.14) 151.88,3374.84 cw(c151.88,3390.53) v1@140.78,3379.43
LADDR24: RA5.8 U16.20 U17.20 | length 1462.8
  Top Layer w5: v1(69.82,3765.19) v1@71.78,3763.23
  DATA w5: v1@-181.13,3895.51 cw(c-181.13,3879.82) -170.03,3890.91 cw(c-158.94,3902.01) v1@-174.63,3902.01 ; v1(-181.13,3902.01) -70.81,3791.69 ccw(c-67.28,3795.23) -63.74,3791.7 -57.49,3797.95 cw(c-53.95,3794.41) -50.42,3797.95 cw(c-53.95,3794.41) -50.42,3790.88 -69.99,3771.3 ccw(c-66.46,3767.76) -69.99,3764.23 ccw(c-66.46,3767.76) -62.92,3764.23 -43.35,3783.81 cw(c-39.81,3780.27) -36.28,3783.81 cw(c-39.81,3780.27) -36.28,3776.73 -42.53,3770.48 ccw(c-38.99,3766.95) -42.53,3763.41 -35.46,3756.34 -23.92,3756.34 cw(c-23.92,3751.34) -18.92,3751.34 -18.92,3742.5 ccw(c-13.92,3742.5) -13.92,3737.5 ccw(c-13.92,3742.5) -8.92,3742.5 -8.92,3770.18 cw(c-3.92,3770.18) -3.92,3775.18 cw(c-3.92,3770.18) 1.08,3770.18 1.08,3742.5 ccw(c6.08,3742.5) 6.08,3737.5 ccw(c6.08,3742.5) 11.08,3742.5 11.08,3770.18 cw(c16.08,3770.18) 16.08,3775.18 cw(c16.08,3770.18) 21.08,3770.18 21.08,3742.5 ccw(c26.08,3742.5) 26.08,3737.5 ccw(c26.08,3742.5) 31.08,3742.5 31.08,3751.34 cw(c36.08,3751.34) 36.08,3756.34 cw(c36.08,3751.34) 41.08,3751.34 41.08,3742.5 ccw(c46.08,3742.5) 46.08,3737.5 ccw(c46.08,3742.5) 51.08,3742.5 51.08,3751.34 cw(c56.08,3751.34) 56.08,3756.34 60.97,3756.34 v1(69.82,3765.19)
  Bottom Layer w5: -192.92,3889.23 ccw(c-205.7,3902.01) v1@-187.63,3902.01 ; -190.54,3891.61 cw(c-181.13,3882.19) v1@-181.13,3895.51 ; v1@-185.72,3906.61 ccw(c-196.08,3916.96) -181.44,3916.96 ; U17.20@-184.44,3581.94 -184.44,3629.46 -197.41,3642.43 -197.41,3884.74 v1@-181.44,3900.72 ; v1@-181.44,3902.01 U16.20@-181.44,4164.94 ; -181.44,3918.44 ccw(c-164.69,3918.44) v1@-176.53,3906.61 ; v1@69.82,3758.69 cw(c69.82,3743) 80.92,3754.1 cw(c92.01,3765.19) v1@76.32,3765.19 ; v1(69.82,3765.19) RA5.8@182.95,3652.06
  Bottom Layer w10: RA5.8@182.95,3646.9 RA5.8@182.95,3652.06
LADDR25: RA3.5 U16.21 U17.21 | length 1118.4
  ADDR w5: v1(-150.62,3927.6) -150.62,3932.52 85.6,3932.52 v1(114.15,3903.98) ; v1@-149.56,3926.54 cw(c-135.11,3912.1) -135.11,3932.52 ; v1@-146.02,3923 cw(c-123.04,3900.03) -123.04,3932.52 ; v1@107.65,3903.98 ccw(c91.96,3903.98) 103.05,3915.07 ccw(c114.15,3926.17) v1@114.15,3910.48
  Bottom Layer w5: v1@-155.21,3923 cw(c-167.94,3910.27) -149.94,3910.27 ; v1@-155.21,3932.2 ccw(c-167.94,3944.93) -149.94,3944.93 ; U17.21@-152.94,3581.94 -152.94,3636.96 -165.13,3649.16 -165.13,3758.04 -149.94,3773.24 U16.21@-149.94,4164.94 ; -149.94,3913.54 cw(c-136.56,3913.54) v1@-146.02,3923 ; -149.94,3941.66 ccw(c-136.56,3941.66) v1@-146.02,3932.2 ; v1(114.15,3903.98) 121.22,3896.91 ccw(c124.75,3900.44) 128.29,3896.91 135.36,3903.98 cw(c138.9,3900.44) 142.43,3903.98 cw(c138.9,3900.44) 142.43,3896.91 135.36,3889.84 ccw(c138.9,3886.3) 135.36,3882.76 142.11,3876.02 RA3.5@182.95,3876.02 ; v1@115.83,3897.7 cw(c117.6,3891.08) 121.03,3897.01 ; v1@120.6,3903.19 ccw(c128.97,3902.17) 124.75,3894.87
LCD_PWREN: R107.1 U3.P11 | length 892.9
  Top Layer w5: v2@1349.99,3229.96 cw(c1337.18,3217.15) 1355.29,3217.15 cw(c1373.4,3217.15) v2@1360.59,3229.96 ; R107.1@1355.29,3196.3 v2(1355.29,3235.26)
  ADDR w5: v1@1041.31,3790.19 cw(c1041.31,3774.5) 1052.41,3785.6 cw(c1063.51,3796.69) v1@1047.81,3796.69 ; v1(1041.31,3796.69) 1057.06,3780.95 1110.48,3780.95 1248.99,3642.43 1248.99,3320.89 1334.62,3235.26 v2(1355.29,3235.26) ; v2@1349.99,3229.96 ccw(c1337.18,3217.15) 1337.18,3235.26 ccw(c1337.18,3253.37) v2@1349.99,3240.56
  Bottom Layer w10: U3.P11@1025.57,3812.44 v1(1041.31,3796.69) ; v1@1037.31,3796.69 ccw(c1027.66,3796.69) 1034.49,3803.52 ccw(c1041.31,3810.35) v1@1041.31,3800.69
LDATA0: U3.D12 U16.2 U18.29 | length 2019.9
  ADDR w5: v2@-748.36,4204.77 cw(c-748.36,4189.88) -737.84,4200.41 ; v2(-748.36,4212.27) -748.36,4210.93 -695.87,4158.43 257.87,4158.43 310.01,4106.3 346.89,4106.3 565.97,3887.22 635.83,3887.22 v1(726.35,3796.69) ; v2@-740.86,4212.27 ccw(c-719.53,4212.27) -734.62,4197.18 ; v1@719.85,3796.69 ccw(c704.16,3796.69) 715.26,3807.79 ccw(c726.35,3818.89) v1@726.35,3803.19
  Bottom Layer w5: U18.29@-786.94,4346.52 -760.02,4346.52 -746.06,4332.57 v2@-746.06,4212.6 ; v2@-753.67,4206.96 cw(c-766.47,4194.16) -748.36,4194.16 cw(c-730.26,4194.16) v2@-743.06,4206.96 ; v2@-753.67,4217.57 ccw(c-772.02,4235.93) -746.06,4235.93 ; v2@-750.13,4214.03 ccw(c-759.95,4223.86) -746.06,4223.86 ; U16.2@-748.36,4164.94 v2(-748.36,4212.27) ; -746.06,4224.82 ccw(c-735.81,4224.82) v2@-743.06,4217.57
  Bottom Layer w10: U3.D12@710.6,3780.95 v1(726.35,3796.69) ; v1@722.35,3796.69 cw(c712.7,3796.69) 719.52,3789.87 cw(c726.35,3783.04) v1@726.35,3792.69